# KiCad board Ultra-MSX.kicad_pcb
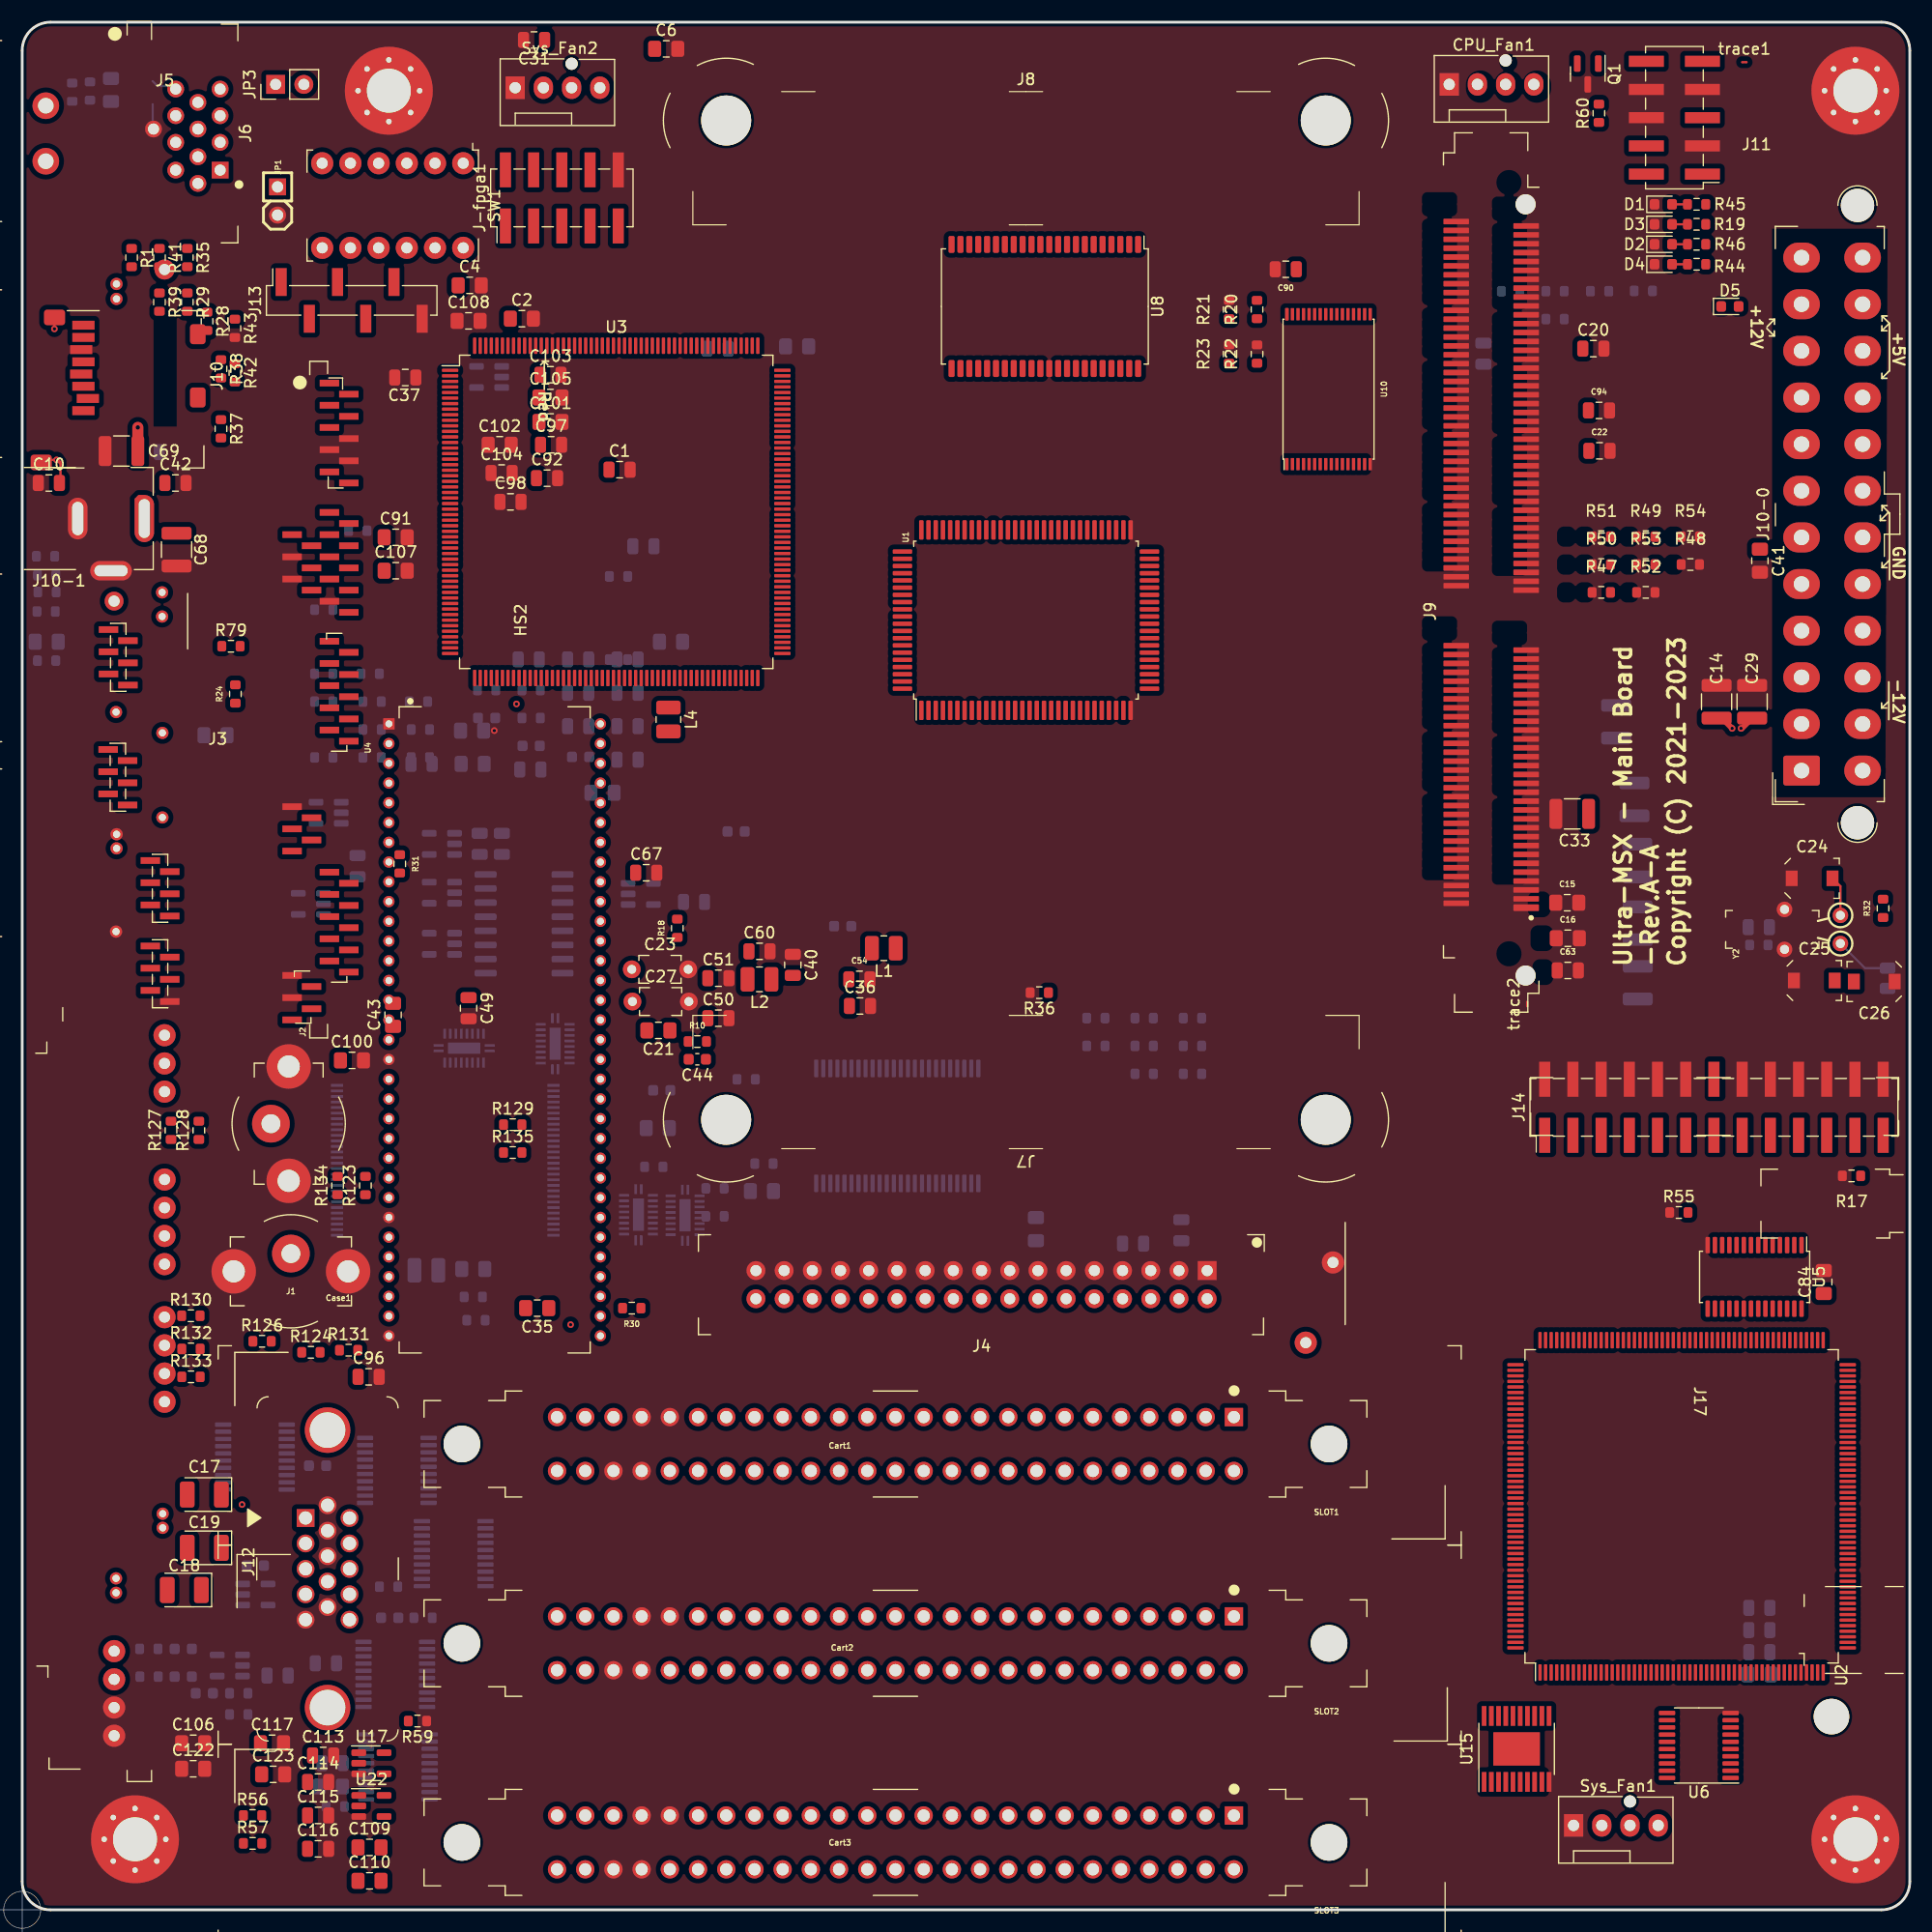
[diagram p0: board, top side]
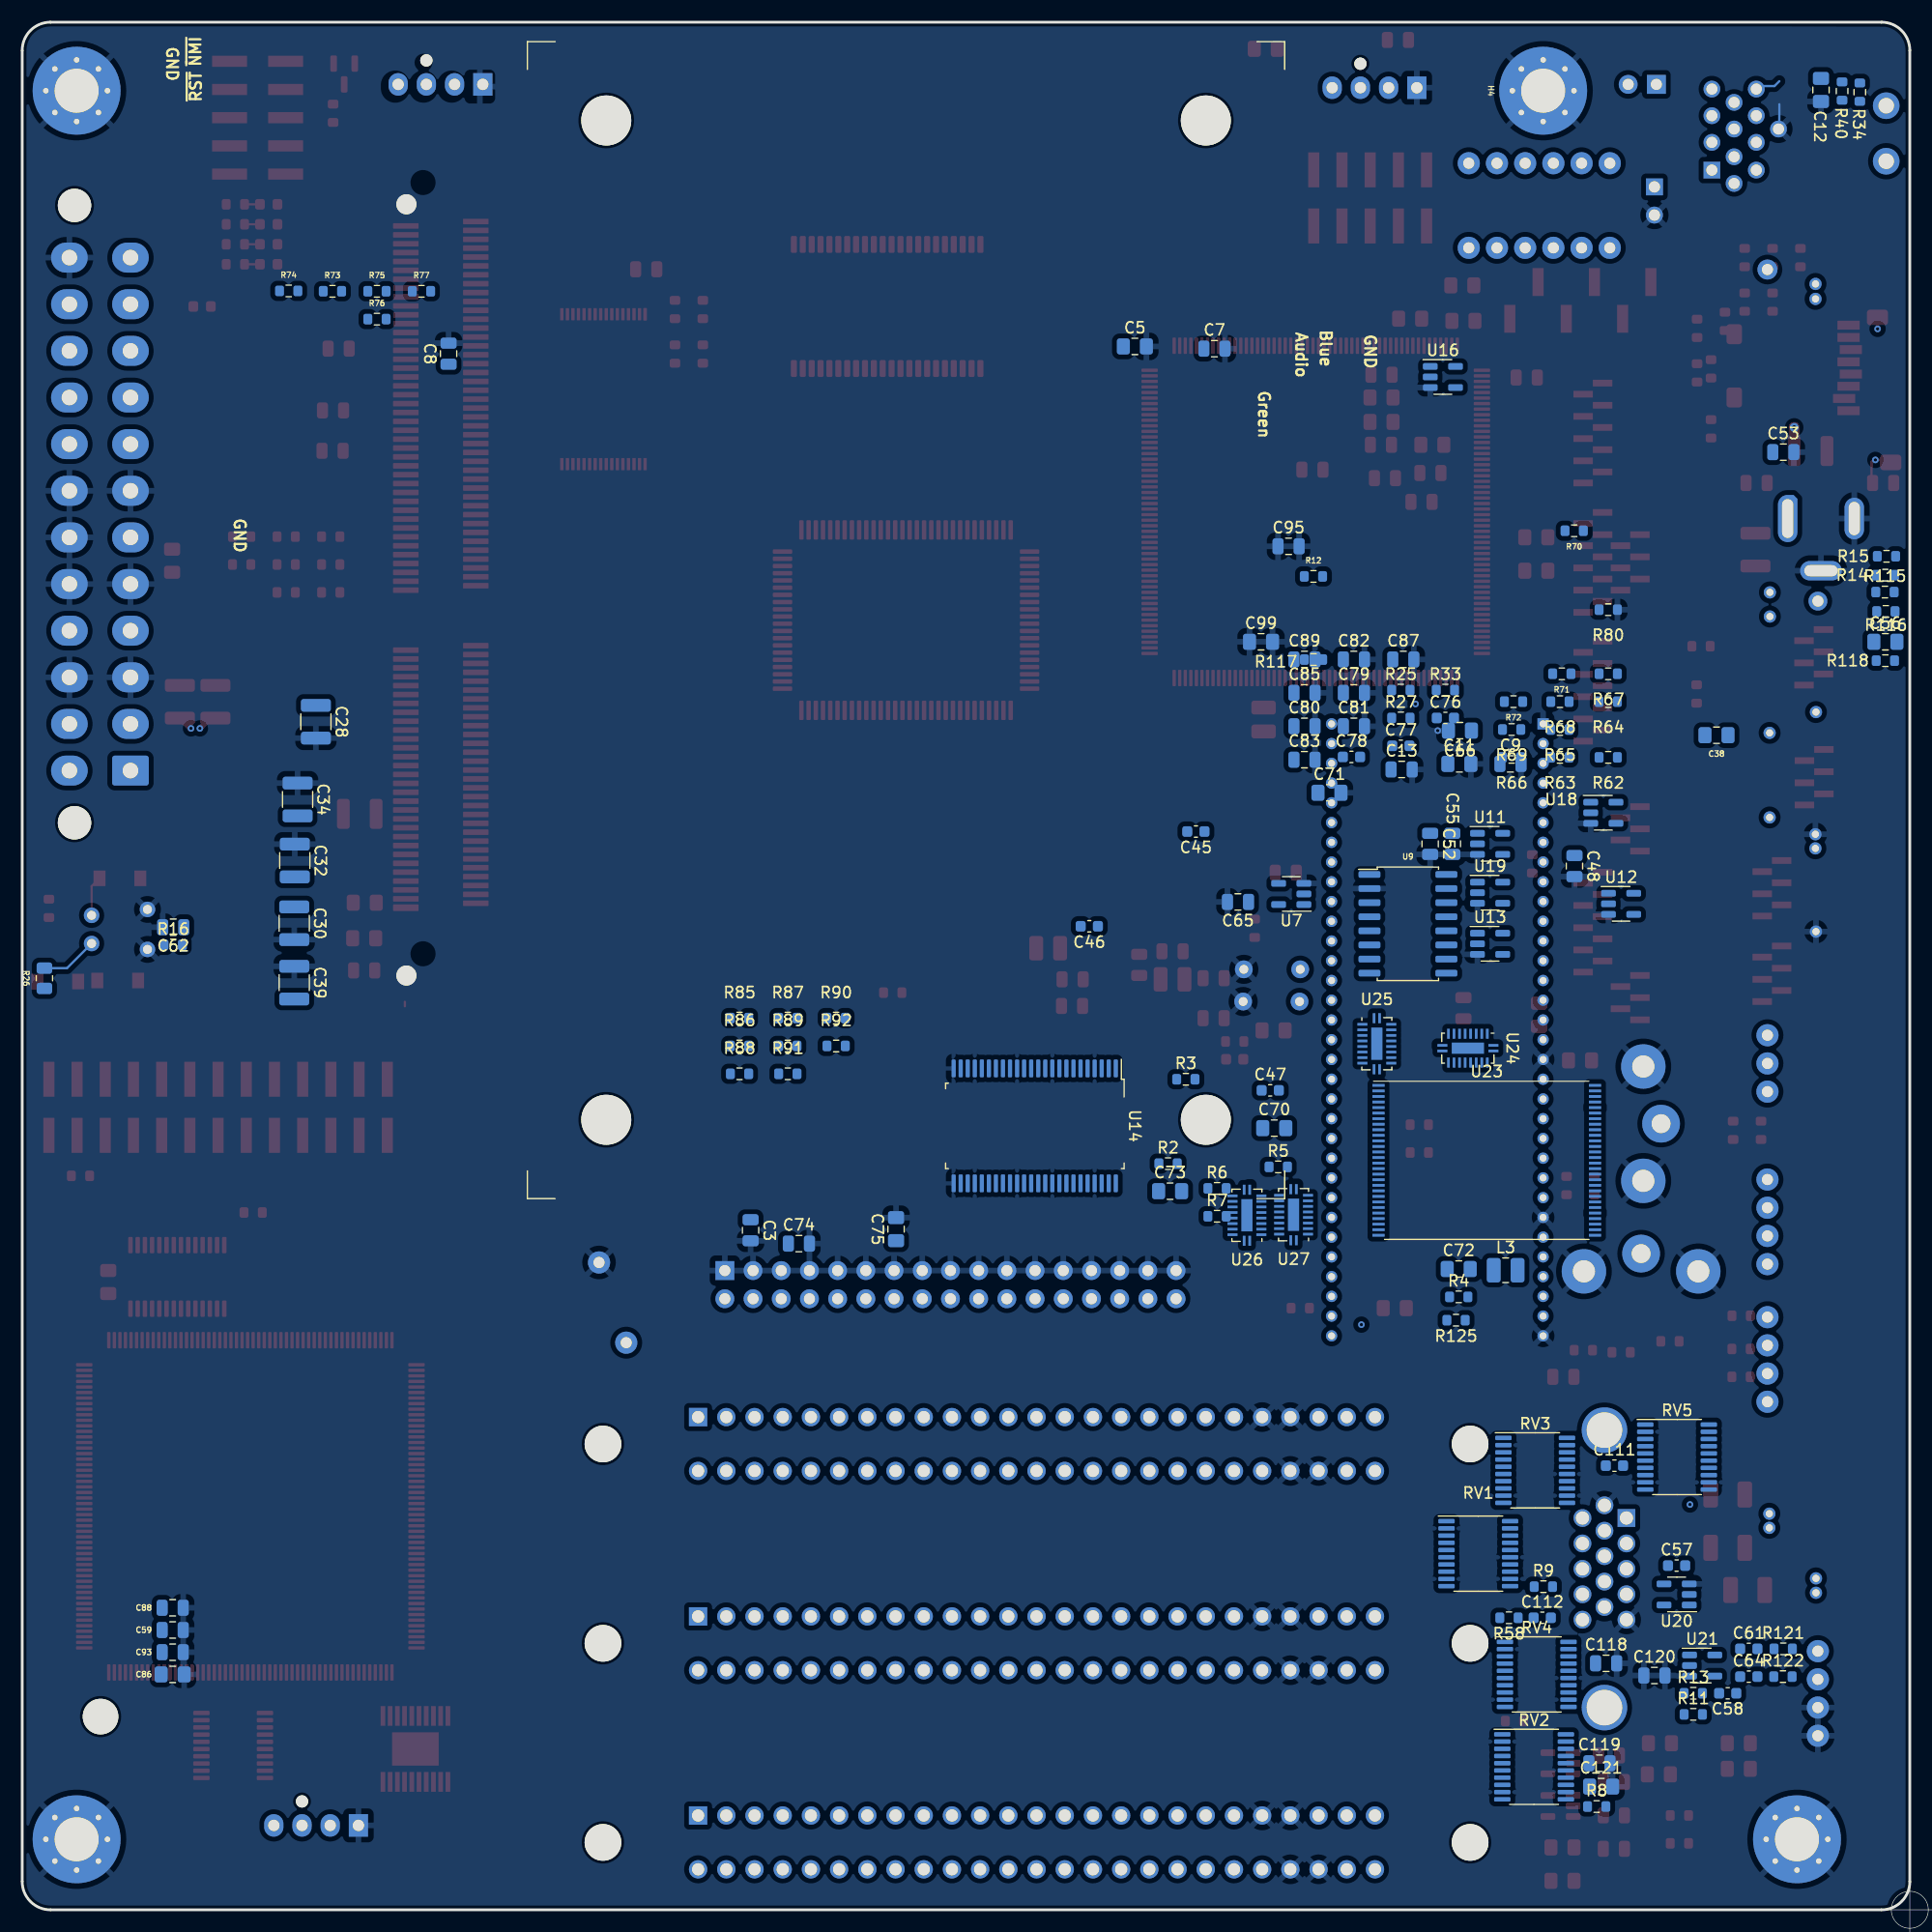
[diagram p1: board, bottom side, seen from below]

Outline 170 x 170 mm; copper layers: Top, Ground.Cu (plane), Power.Cu (plane), Bottom. Coordinates in mm from the lower left corner of the outline.
Outline path: 0,167.46 arc(0.74,169.26) 2.54,170 167.46,170 arc(169.26,169.26) 170,167.46 170,2.54 arc(169.26,0.74) 167.46,0 2.54,0 arc(0.74,0.74) 0,2.54 0,167.46
Stack: Top 0.035mm / dielectric 0.6233mm FR4 er 4.5 / Ground.Cu 0.0175mm / dielectric 0.6233mm FR4 er 4.5 / Power.Cu 0.0175mm / dielectric 0.6233mm FR4 er 4.5 / Bottom 0.035mm

## Placement (name value [footprint] x y rotation side)
BT1  Battery_377-376VZ_dummy  [Battery_SR626]  118.1 57.4 180 top
BT2  Battery_377-376VZ_dummy  [Battery_SR626]  118.1 57.4 180 top
C1  C_CC0805JPX7R9BB104  [C_0805_2012Metric]  53.8 129.7 0 top
C2  C_GRM21BR71A106KA73K  [C_0805_2012Metric_Pad1.18x1.45mm_HandSolder]  45 143.3 0 top
C3  C_CC0805JPX7R9BB104  [C_0805_2012Metric]  104.4 61.2 270 bottom
C4  C_GRM21BR71A106KA73K  [C_0805_2012Metric_Pad1.18x1.45mm_HandSolder]  40.3 146.3 0 top
C5  C_GRM21BR71A106KA73K  [C_0805_2012Metric_Pad1.18x1.45mm_HandSolder]  69.79 140.8 180 bottom
C6  C_GRM21BR71A106KA73K  [C_0805_2012Metric_Pad1.18x1.45mm_HandSolder]  58 167.6 0 top
C7  C_CC0805JPX7R9BB104  [C_0805_2012Metric]  62.63 140.6 180 bottom
C8  C_CC0805JPX7R9BB104  [C_0805_2012Metric]  131.6 140.15 90 bottom
C9  C_CC0805JPX7R9BB104  [C_0805_2012Metric]  35.97 103.2 180 bottom
C10  C_GRM21BR61A476ME15K  [C_0805_2012Metric]  2.4 128.5 0 top
C11  C_GRM21BR71A106KA73K  [C_0805_2012Metric_Pad1.18x1.45mm_HandSolder]  40.57 103.2 180 bottom
C12  C_GRM21BR71A106KA73K  [C_0805_2012Metric_Pad1.18x1.45mm_HandSolder]  8 163.9 270 bottom
C13  C_CC0805JPX7R9BB104  [C_0805_2012Metric]  45.77 102.7 180 bottom
C14  C_GRM32EC81C476KE15K  [C_1210_3225Metric]  152.6 108.8 90 top
C15  C_GRM21BR71A106KA73K  [C_0805_2012Metric_Pad1.18x1.45mm_HandSolder]  139.15 90.7 0 top
C16  C_GRM21BR71A106KA73K  [C_0805_2012Metric_Pad1.18x1.45mm_HandSolder]  139.2 87.5 0 top
C17  C_TCJB227  [CP_EIA-3528-15_AVX-H]  16.4 37.4 180 top
C18  C_TCJB227  [CP_EIA-3528-15_AVX-H]  14.6 28.8 180 top
C19  C_TCJB227  [CP_EIA-3528-15_AVX-H]  16.4 32.6 180 top
C20  C_CC0805JPX7R9BB104  [C_0805_2012Metric]  141.5 140.6 0 top
C21  C_GRM21BR71A106KA73K  [C_0805_2012Metric_Pad1.18x1.45mm_HandSolder]  57.3 79.2 180 top
C22  C_CC0805JPX7R9BB104  [C_0805_2012Metric]  142.05 131.4 0 top
C23  C_K222K10X7RF5UH5  [C_Rect_L3.6mm_W2.3mm_P5.08mm]  57.44 84.7 0 top
C24  CTRIM_SGC3S300NM  [C_Trimmer_Sprague-Goodman_SGC3]  161.2 92.9 0 top
C25  CTRIM_SGC3S300NM  [C_Trimmer_Sprague-Goodman_SGC3]  161.4 83.69 0 top
C26  CTRIM_SGC3S300NM  [C_Trimmer_Sprague-Goodman_SGC3]  166.8 83.6 180 top
C27  C_K222K10X7RF5UH5  [C_Rect_L3.6mm_W2.3mm_P5.08mm]  57.5 81.8 0 top
C28  C_GRM32EC81C476KE15K  [C_1210_3225Metric]  143.55 107 270 bottom
C29  C_GRM32EC81C476KE15K  [C_1210_3225Metric]  155.8 108.8 90 top
C30  C_GRM32EC81C476KE15K  [C_1210_3225Metric]  145.5 88.85 270 bottom
C31  C_CC0805JPX7R9BB104  [C_0805_2012Metric]  46.1 168.4 180 top
C32  C_GRM32EC81C476KE15K  [C_1210_3225Metric]  145.45 94.5 270 bottom
C33  C_GRM32EC81C476KE15K  [C_1210_3225Metric]  139.6 98.7 0 top
C34  C_GRM32EC81C476KE15K  [C_1210_3225Metric]  145.2 100 270 bottom
C35  C_GRM21BR71A106KA73K  [C_0805_2012Metric_Pad1.18x1.45mm_HandSolder]  46.38 54.19 180 top
C36  C_CC0805JPX7R9BB104  [C_0805_2012Metric]  75.45 81.4 0 top
C37  C_CC0805JPX7R9BB104  [C_0805_2012Metric]  34.5 138 0 top
C38  C_GRM21BR71A106KA73K  [C_0805_2012Metric_Pad1.18x1.45mm_HandSolder]  17.41 105.79 0 bottom
C39  C_GRM32EC81C476KE15K  [C_1210_3225Metric]  145.5 83.5 270 bottom
C40  C_CC0805JPX7R9BB104  [C_0805_2012Metric]  69.4 85.1 270 top
C41  C_GRM21BR71A106KA73K  [C_0805_2012Metric_Pad1.18x1.45mm_HandSolder]  156.5 121.5 270 top
C42  C_CC0805JPX7R9BB104  [C_0805_2012Metric]  13.8 128.5 0 top
C43  C_GRM21BR71A106KA73K  [C_0805_2012Metric_Pad1.18x1.45mm_HandSolder]  33.4 80.6 90 top
C44  C  [C_0603_1608Metric]  60.8 76.6 180 top
C45  C  [C_0603_1608Metric]  64.3 97.11 0 bottom
C46  C  [C_0603_1608Metric]  73.9 88.58 0 bottom
C47  C  [C_0603_1608Metric]  57.6 73.8 180 bottom
C48  C_CC0805JPX7R9BB104  [C_0805_2012Metric]  30.2 94 270 bottom
C49  C_CC0805JPX7R9BB104  [C_0805_2012Metric]  40.2 81.2 270 top
C50  C_CC0805JPX7R9BB104  [C_0805_2012Metric]  62.7 80.3 0 top
C51  C_CC0805JPX7R9BB104  [C_0805_2012Metric]  62.7 83.9 0 top
C52  C_CC0805JPX7R9BB104  [C_0805_2012Metric]  43.2 96 270 bottom
C53  C_CC0805JPX7R9BB104  [C_0805_2012Metric]  11.39 131.28 180 bottom
C54  C_CC0805JPX7R9BB104  [C_0805_2012Metric]  75.4 83.8 0 top
C55  C_CC0805JPX7R9BB104  [C_0805_2012Metric]  41.2 96 270 bottom
C56  C_GRM21BR71A106KA73K  [C_0805_2012Metric_Pad1.18x1.45mm_HandSolder]  2.2 114.2 180 bottom
C57  C  [C_0603_1608Metric]  21 31 180 bottom
C58  C  [C_0603_1608Metric]  16.4 19.5 180 bottom
C59  C_CC0805JPX7R9BB104  [C_0805_2012Metric]  156.45 25.2 180 bottom
C60  C_CC0805JPX7R9BB104  [C_0805_2012Metric]  66.4 86.32 0 top
C61  C  [C_0603_1608Metric]  14.5 23.5 180 bottom
C62  C_CC0805JPX7R9BB104  [C_0805_2012Metric]  156.4 88.5 0 bottom
C63  C_CC0805JPX7R9BB104  [C_0805_2012Metric]  139.2 84.6 0 top
C64  C  [C_0603_1608Metric]  14.5 21 180 bottom
C65  C_CC0805JPX7R9BB104  [C_0805_2012Metric]  60.51 90.77 0 bottom
C66  C_GRM21BR71A106KA73K  [C_0805_2012Metric_Pad1.18x1.45mm_HandSolder]  40.52 106.2 0 bottom
C67  C_CC0805JPX7R9BB104  [C_0805_2012Metric]  56.2 93.4 0 top
C68  C_GRM32EC81C476KE15K  [C_1210_3225Metric]  13.9 122.5 90 top
C69  C_GRM32EC81C476KE15K  [C_1210_3225Metric]  8.94 131.38 0 top
C70  C_GRM21BR71A106KA73K  [C_0805_2012Metric_Pad1.18x1.45mm_HandSolder]  57.24 70.4 180 bottom
C71  C_GRM21BR71A106KA73K  [C_0805_2012Metric_Pad1.18x1.45mm_HandSolder]  52.27 100.6 180 bottom
C72  C_GRM21BR71A106KA73K  [C_0805_2012Metric_Pad1.18x1.45mm_HandSolder]  40.63 57.71 180 bottom
C73  C_GRM21BR71A106KA73K  [C_0805_2012Metric_Pad1.18x1.45mm_HandSolder]  66.62 64.72 180 bottom
C74  C_CC0805JPX7R9BB104  [C_0805_2012Metric]  100.05 60 180 bottom
C75  C_GRM21BR71A106KA73K  [C_0805_2012Metric_Pad1.18x1.45mm_HandSolder]  91.3 61.3 90 bottom
C76  C  [C_0603_1608Metric]  41.83 107.34 180 bottom
C77  C  [C_0603_1608Metric]  45.84 104.83 180 bottom
C78  C  [C_0603_1608Metric]  50.29 103.83 180 bottom
C79  C_CC0805JPX7R9BB104  [C_0805_2012Metric]  50.07 109.6 180 bottom
C80  C_CC0805JPX7R9BB104  [C_0805_2012Metric]  54.52 106.59 180 bottom
C81  C_CC0805JPX7R9BB104  [C_0805_2012Metric]  50.07 106.59 180 bottom
C82  C_CC0805JPX7R9BB104  [C_0805_2012Metric]  50.07 112.61 180 bottom
C83  C_CC0805JPX7R9BB104  [C_0805_2012Metric]  54.52 103.58 180 bottom
C84  C_GRM21BR71A106KA73K  [C_0805_2012Metric_Pad1.18x1.45mm_HandSolder]  162.25 56.54 90 top
C85  C_CC0805JPX7R9BB104  [C_0805_2012Metric]  54.52 109.6 180 bottom
C86  C_GRM21BR71A106KA73K  [C_0805_2012Metric_Pad1.18x1.45mm_HandSolder]  156.45 21.2 180 bottom
C87  C_CC0805JPX7R9BB104  [C_0805_2012Metric]  45.62 112.61 180 bottom
C88  C_CC0805JPX7R9BB104  [C_0805_2012Metric]  156.45 27.2 180 bottom
C89  C_CC0805JPX7R9BB104  [C_0805_2012Metric]  54.52 112.61 180 bottom
C90  C_CC0805JPX7R9BB104  [C_0805_2012Metric]  113.8 147.75 180 top
C91  C_GRM21BR71A106KA73K  [C_0805_2012Metric_Pad1.18x1.45mm_HandSolder]  33.64 123.61 0 top
C92  C_CC0805JPX7R9BB104  [C_0805_2012Metric]  47.27 128.94 0 top
C93  C_CC0805JPX7R9BB104  [C_0805_2012Metric]  156.45 23.2 180 bottom
C94  C_CC0805JPX7R9BB104  [C_0805_2012Metric]  142.01 135.04 0 top
C95  C_CC0805JPX7R9BB104  [C_0805_2012Metric]  55.95 122.8 180 bottom
C96  C_CC0805JPX7R9BB104  [C_0805_2012Metric]  31.2 48 0 top
C97  C_CC0805JPX7R9BB104  [C_0805_2012Metric]  47.63 131.94 0 top
C98  C_CC0805JPX7R9BB104  [C_0805_2012Metric]  43.98 126.8 0 top
C99  C_GRM21BR71A106KA73K  [C_0805_2012Metric_Pad1.18x1.45mm_HandSolder]  58.43 114.2 180 bottom
C100  C_GRM21BR71A106KA73K  [C_0805_2012Metric_Pad1.18x1.45mm_HandSolder]  29.7 76.5 0 top
C101  C_GRM21BR71A106KA73K  [C_0805_2012Metric_Pad1.18x1.45mm_HandSolder]  47.58 134 0 top
C102  C_GRM21BR71A106KA73K  [C_0805_2012Metric_Pad1.18x1.45mm_HandSolder]  43 131.94 0 top
C103  C_CC0805JPX7R9BB104  [C_0805_2012Metric]  47.58 138.25 0 top
C104  C_CC0805JPX7R9BB104  [C_0805_2012Metric]  43.18 129.4 0 top
C105  C_GRM21BR71A106KA73K  [C_0805_2012Metric_Pad1.18x1.45mm_HandSolder]  47.58 136.2 0 top
C106  C_GRM21BR71A106KA73K  [C_0805_2012Metric_Pad1.18x1.45mm_HandSolder]  15.4 15 0 top
C107  C_GRM21BR71A106KA73K  [C_0805_2012Metric_Pad1.18x1.45mm_HandSolder]  33.64 120.6 0 top
C108  C_GRM21BR71A106KA73K  [C_0805_2012Metric_Pad1.18x1.45mm_HandSolder]  40.2 143.1 0 top
C109  C_GRM21BR71A106KA73K  [C_0805_2012Metric_Pad1.18x1.45mm_HandSolder]  31.28 5.62 0 top
C110  C_GRM21BR71A106KA73K  [C_0805_2012Metric_Pad1.18x1.45mm_HandSolder]  31.28 2.61 0 top
C111  C  [C_0603_1608Metric]  26.6 40 180 bottom
C112  C  [C_0603_1608Metric]  33.1 26.3 180 bottom
C113  C_CC0805JPX7R9BB104  [C_0805_2012Metric]  27.1 13.9 0 top
C114  C_CC0805JPX7R9BB104  [C_0805_2012Metric]  26.65 11.51 0 top
C115  C_CC0805JPX7R9BB104  [C_0805_2012Metric]  26.65 8.5 0 top
C116  C_CC0805JPX7R9BB104  [C_0805_2012Metric]  26.65 5.49 0 top
C117  C_GRM21BR71A106KA73K  [C_0805_2012Metric_Pad1.18x1.45mm_HandSolder]  22.5 15 0 top
C118  C_CC0805JPX7R9BB104  [C_0805_2012Metric]  27.35 22.2 180 bottom
C119  C_CC0805JPX7R9BB104  [C_0805_2012Metric]  27.95 13.2 180 bottom
C120  C_CC0805JPX7R9BB104  [C_0805_2012Metric]  23 21.1 180 bottom
C121  C_GRM21BR71A106KA73K  [C_0805_2012Metric_Pad1.18x1.45mm_HandSolder]  27.8 11.1 180 bottom
C122  C_GRM21BR71A106KA73K  [C_0805_2012Metric_Pad1.18x1.45mm_HandSolder]  15.4 12.7 0 top
C123  C_GRM21BR71A106KA73K  [C_0805_2012Metric_Pad1.18x1.45mm_HandSolder]  22.6 12.2 0 top
Cart1  MSX-cartridge_dummy  [MSX-cart-dummy]  73.65 41.8 0 top
Cart2  MSX-cartridge_dummy  [MSX-cart-dummy]  73.85 23.6 0 top
Cart3  MSX-cartridge_dummy  [MSX-cart-dummy]  73.65 6.05 0 top
Case1  MSX-DANv4-case_dummy  [DAN-Case-dummy]  149.05 83.4 0 top
CPU_Fan1  Molex_470533000  [FanPinHeader_1x04_P2.54mm_Vertical]  128.52 164.4 0 top
D1  LED_VLMW1300  [LED_0603_1608Metric]  147.8 153.6 0 top
D2  LED_VLMW1300  [LED_0603_1608Metric]  147.8 150 0 top
D3  LED_VLMB1310  [LED_0603_1608Metric]  147.8 151.8 0 top
D4  LED_VLMB1310  [LED_0603_1608Metric]  147.8 148.2 0 top
D5  LED_VLMB1310  [LED_0603_1608Metric]  153.8 144.4 0 top
H1  MountingHole_Pad  [MountingHole_3.96mm_Pad_Via]  10.16 6.35 90 bottom
H2  MountingHole_Pad  [MountingHole_3.96mm_Pad_Via]  165.1 6.35 90 bottom
H3  MountingHole_Pad  [MountingHole_3.96mm_Pad_Via]  165.1 163.83 90 bottom
H4  MountingHole_Pad  [MountingHole_3.96mm_Pad_Via]  33.02 163.83 90 bottom
HS2  Heatsink_Scythe_Fuma2  [Heatsink_Scythe_FUMA_129x137mm]  90.4 116.15 90 top
J1  Conn_RCJ-022  [CUI_RCJ-022]  24.2 57.5 0 top
J2  Conn_RCJ-023  [CUI_RCJ-023]  24 70.8 90 top
J3  -  [Ultra-VDP-daughter]  21.41 105.45 0 top
J4  Amphenol_75869-306LF  [Amphenol_75869-306LF_2x17_P2.54mm_Vertical]  86.4 56.3 180 top
J5  -  [Ultra-IO-shield]  9.55 169.95 0 top
J6  SDF-130J  [DIN1648_R_13P_Female_Circular_Horizontal_THT]  9.32 159.98 270 top
J7  AM4_bracket  [AM4_Cooler-bracket]  90.4 74.55 180 top
J8  AM4_bracket  [AM4_Cooler-bracket]  90.4 157.75 0 top
J9  Kyocera_6403_Conn  [Kyocera_296403144121856+]  132.3 120.44 90 top
J10  Micro_SD_Card_Det_GCT  [microSD_HC_GCT_MEM2061]  8.74 136.95 270 top
J10-0  Molex_0469990346  [Molex_Mini-Fit_Jr_5566-24A2_2x12_P4.20mm_Vertical]  160.25 102.6 90 top
J10-1  Conn_KLDX-0202-A  [Conn_Kycon_KLDX-0202-A]  4.1 125.3 0 top
J11  Conn_02x05_Odd_Even  [PinHeader_2x05_P2.54mm_Vertical_SMD]  148.8 161.4 180 top
J12  -  [Amphenol_L77HDE15SOL2]  27.5 30.71 90 top
J13  Conn_NREC004  [PinHeader_1x06_P2.54mm_Vertical_SMD_Pin1Right]  29.67 144.94 90 top
J14  Waveblaster_header_02x13  [PinHeader_2x13_P2.54mm_Vertical_SMD]  152.36 72.28 90 top
J15  Battery_2x_SR66_holder  [Holder_SR626]  118.1 57.3 270 top
J17  X2GS_midi_card  [X2GS]  150.59 45.8 270 top
J-fpga1  Conn_02x05_Odd_Even  [PinHeader_2x05_P2.54mm_Vertical_SMD]  48.6 154.18 90 top
JP1  Jumper-KBD  [Conn_Pin_Header_2x1_2.54mm]  23 153.9 270 top
JP3  ROM_Jumper  [PinHeader_1x02_P2.54mm_Vertical]  22.82 164.4 90 top
L1  DFE252012P-3R3M=P2  [L_1008_2520Metric]  77.6 86.6 180 top
L2  DFE252012P-3R3M=P2  [L_1008_2520Metric]  66.4 83.8 180 top
L3  DFE252012P-3R3M=P2  [L_1008_2520Metric]  36.4 57.6 180 bottom
L4  DFE252012P-3R3M=P2  [L_1008_2520Metric]  58.2 107.2 270 top
Q1  DMN2058  [SOT-23]  141 165.34 270 top
R1  R_RC0603FR-074K7L  [R_0603_1608Metric]  9.85 148.8 270 top
R2  R  [R_0603_1608Metric]  66.8 67.2 180 bottom
R3  R  [R_0603_1608Metric]  65.2 74.8 180 bottom
R4  R  [R_0603_1608Metric]  40.63 55.2 180 bottom
R5  R  [R_0603_1608Metric]  56.88 66.91 180 bottom
R6  R  [R_0603_1608Metric]  62.39 64.97 180 bottom
R7  R  [R_0603_1608Metric]  62.39 62.46 180 bottom
R8  R  [R_0603_1608Metric]  28.2 9.3 180 bottom
R9  R  [R_0603_1608Metric]  33 29.1 180 bottom
R10  R  [R_0603_1608Metric]  60.8 78.2 0 top
R11  R  [R_0603_1608Metric]  19.5 17.6 180 bottom
R12  R  [R_0603_1608Metric]  53.71 120.09 180 bottom
R13  R  [R_0603_1608Metric]  19.5 19.5 180 bottom
R14  R  [R_0603_1608Metric]  2.2 120.2 0 bottom
R15  R  [R_0603_1608Metric]  2.1 121.9 180 bottom
R16  R_RC0603FR-074K7L  [R_0603_1608Metric]  156.4 86.9 180 bottom
R17  R_RC0603FR-0710KL  [R_0603_1608Metric_roundcourt]  164.75 66.1 180 top
R18  R  [R_0603_1608Metric]  59 88.4 90 top
R19  R_ERJ-3EKF1300V  [R_0603_1608Metric]  150.8 151.8 180 top
R20  R_RC0603FR-0710KL  [R_0603_1608Metric_roundcourt]  111.21 144.12 90 top
R21  R_RC0603FR-0710KL  [R_0603_1608Metric_roundcourt]  108.7 144.12 90 top
R22  R_RC0603FR-0710KL  [R_0603_1608Metric_roundcourt]  111.21 140.12 90 top
R23  R_RC0603FR-0710KL  [R_0603_1608Metric_roundcourt]  108.7 140.12 90 top
R24  R  [R_0603_1608Metric]  19.2 109.5 90 top
R25  R  [R_0603_1608Metric]  45.84 109.85 180 bottom
R26  R  [R_0805_2012Metric]  168 83.9 90 bottom
R27  R  [R_0603_1608Metric]  45.84 107.34 180 bottom
R28  R_RC0603FR-074K7L  [R_0603_1608Metric]  16.65 143.06 270 top
R29  R_RC0603FR-074K7L  [R_0603_1608Metric]  14.87 144.79 270 top
R30  R  [R_0603_1608Metric]  54.9 54.19 180 top
R31  R  [R_0603_1608Metric]  34 94.2 270 top
R32  R  [R_0603_1608Metric]  167.59 90.19 90 top
R33  R  [R_0603_1608Metric]  41.83 109.85 180 bottom
R34  R_RC0603FR-074K7L  [R_0603_1608Metric]  4.5 163.7 90 bottom
R35  R_RC0603FR-074K7L  [R_0603_1608Metric]  14.87 148.8 270 top
R36  R_CRG0603F470R  [R_0603_1608Metric]  91.6 82.6 180 top
R37  R_RC0603FR-074K7L  [R_0603_1608Metric]  17.9 133.38 270 top
R38  R_RC0603FR-074K7L  [R_0603_1608Metric]  17.9 138.78 270 top
R39  R_RC0603FR-074K7L  [R_0603_1608Metric]  12.36 144.79 270 top
R40  R_RC0603FR-074K7L  [R_0603_1608Metric]  6.1 163.8 90 bottom
R41  R_RC0603FR-074K7L  [R_0603_1608Metric]  12.36 148.8 270 top
R42  R_RC0603FR-074K7L  [R_0603_1608Metric]  19.16 138.42 270 top
R43  R_ERJ-3GEYJ105V  [R_0603_1608Metric]  19.16 142.43 270 top
R44  R_ERJ-3EKF10R0V  [R_0603_1608Metric]  150.8 148.2 0 top
R45  R_ERJ-3GEYJ182V  [R_0603_1608Metric]  150.8 153.6 180 top
R46  R_ERJ-3GEYJ182V  [R_0603_1608Metric]  150.8 150 180 top
R47  R_RC0603FR-0710KL  [R_0603_1608Metric_roundcourt]  142.22 118.65 0 top
R48  R_RC0603FR-0710KL  [R_0603_1608Metric_roundcourt]  150.23 121.16 0 top
R49  R_RC0603FR-0710KL  [R_0603_1608Metric_roundcourt]  146.22 123.67 0 top
R50  R_RC0603FR-0710KL  [R_0603_1608Metric_roundcourt]  142.22 121.16 0 top
R51  R_RC0603FR-0710KL  [R_0603_1608Metric_roundcourt]  142.22 123.67 0 top
R52  R_RC0603FR-0710KL  [R_0603_1608Metric_roundcourt]  146.22 118.65 0 top
R53  R_RC0603FR-0710KL  [R_0603_1608Metric_roundcourt]  146.22 121.16 0 top
R54  R_RC0603FR-0710KL  [R_0603_1608Metric_roundcourt]  150.23 123.67 0 top
R55  R_ERJ-3GEYJ105V  [R_0603_1608Metric]  149.2 62.8 0 top
R56  R  [R_0603_1608Metric]  20.75 8.5 0 top
R57  R  [R_0603_1608Metric]  20.75 5.99 0 top
R58  R  [R_0603_1608Metric]  36.1 26.3 0 bottom
R59  R_ERJ-3GEYJ105V  [R_0603_1608Metric]  35.6 17 180 top
R60  R_ERJ-3EKF10R0V  [R_0603_1608Metric]  142 161.8 90 top
R62  R_RC0603FR-0710KL  [R_0603_1608Metric_roundcourt]  27.16 103.79 0 bottom
R63  R_RC0603FR-0710KL  [R_0603_1608Metric_roundcourt]  31.51 103.79 0 bottom
R64  R_RC0603FR-0710KL  [R_0603_1608Metric_roundcourt]  27.16 108.81 0 bottom
R65  R_RC0603FR-0710KL  [R_0603_1608Metric_roundcourt]  31.51 106.3 0 bottom
R66  R_RC0603FR-0710KL  [R_0603_1608Metric_roundcourt]  35.86 103.79 0 bottom
R67  R_RC0603FR-0710KL  [R_0603_1608Metric_roundcourt]  27.16 111.32 0 bottom
R68  R_RC0603FR-0710KL  [R_0603_1608Metric_roundcourt]  31.51 108.81 0 bottom
R69  R_RC0603FR-0710KL  [R_0603_1608Metric_roundcourt]  35.86 106.3 0 bottom
R70  R_RC0603FR-074K7L  [R_0603_1608Metric]  30.23 124.2 0 bottom
R71  R_RC0603FR-074K7L  [R_0603_1608Metric]  31.34 111.32 0 bottom
R72  R_RC0603FR-074K7L  [R_0603_1608Metric]  35.69 108.81 0 bottom
R73  R_RC0603FR-074K7L  [R_0603_1608Metric]  142.06 145.77 180 bottom
R74  R_RC0603FR-074K7L  [R_0603_1608Metric]  146 145.8 180 bottom
R75  R_RC0603FR-074K7L  [R_0603_1608Metric]  138.05 145.77 180 bottom
R76  R_RC0603FR-074K7L  [R_0603_1608Metric]  138.05 143.26 180 bottom
R77  R_RC0603FR-074K7L  [R_0603_1608Metric]  134.04 145.77 180 bottom
R79  R_RC0603FR-074K7L  [R_0603_1608Metric]  18.8 113.8 0 top
R80  R_RC0603FR-0710KL  [R_0603_1608Metric_roundcourt]  27.16 117.09 0 bottom
R85  R_RC0603FR-0710KL  [R_0603_1608Metric_roundcourt]  105.4 80.31 180 bottom
R86  R_RC0603FR-0710KL  [R_0603_1608Metric_roundcourt]  105.4 77.8 180 bottom
R87  R_RC0603FR-0710KL  [R_0603_1608Metric_roundcourt]  101.05 80.31 180 bottom
R88  R_RC0603FR-0710KL  [R_0603_1608Metric_roundcourt]  105.4 75.29 180 bottom
R89  R_RC0603FR-0710KL  [R_0603_1608Metric_roundcourt]  101.05 77.8 180 bottom
R90  R_RC0603FR-0710KL  [R_0603_1608Metric_roundcourt]  96.7 80.31 180 bottom
R91  R_RC0603FR-0710KL  [R_0603_1608Metric_roundcourt]  101.05 75.29 180 bottom
R92  R_RC0603FR-0710KL  [R_0603_1608Metric_roundcourt]  96.7 77.8 180 bottom
R115  R  [R_0603_1608Metric]  2.24 118.68 180 bottom